# KiCad board CM4IOUSB3.kicad_pcb (continued)
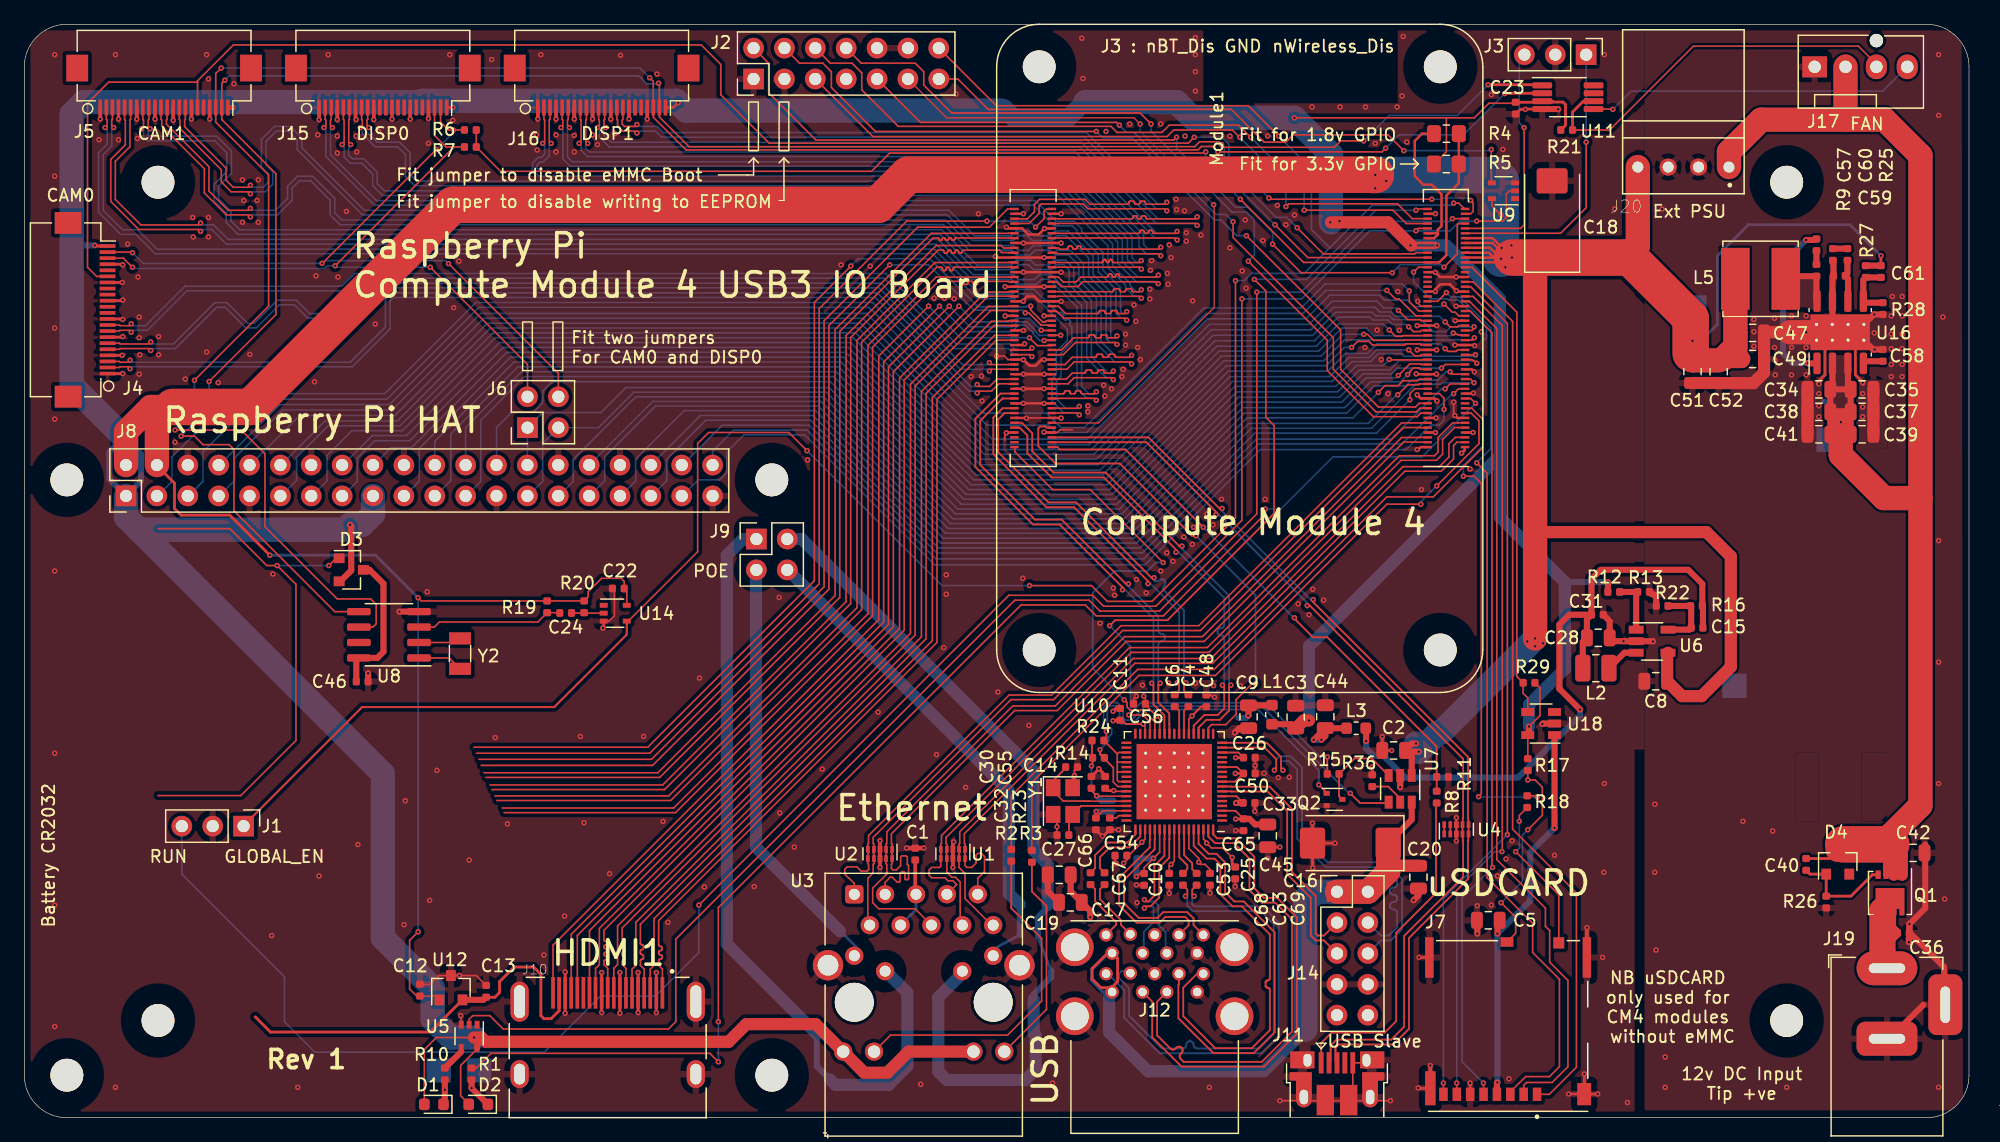
[diagram p0: board, top side]
## Routing (per net, layer and track width the routed paths; a pad name or vN(x,y) marks a point on that pad's centre or on a via; arc(x,y) is an arc through that point) (continued)
/CM4_HighSpeed/HDMI1_D2_N: length 67.5
  Top w0.127: J10.3 51.5,12.23 51.81,12.54 51.81,16.38 74.71,39.28 74.71,59.28 79.82,64.39 80.96,64.39 80.97,64.4 81.5,64.4
/CM4_HighSpeed/HDMI1_D2_P: length 67.5
  Top w0.127: 81.5,64 79.97,64 75.09,59.12 75.09,39.12 52.19,16.22 52.19,14.25 52.19,14.22 52.2,14.19 52.22,14.16 52.24,14.14 52.27,14.12 52.3,14.11 52.37,14.1 52.4,14.09 52.42,14.07 52.45,14.05 52.46,14.02 52.48,13.99 52.48,13.96 52.48,13.9 52.48,13.87 52.46,13.84 52.45,13.81 52.42,13.79 52.4,13.77 52.37,13.76 52.3,13.75 52.27,13.74 52.24,13.72 52.22,13.7 52.2,13.67 52.19,13.64 52.19,13.61 52.19,13.55 52.19,13.52 52.2,13.49 52.22,13.46 52.24,13.44 52.27,13.42 52.3,13.41 52.37,13.4 52.4,13.39 52.42,13.37 52.45,13.35 52.46,13.32 52.48,13.29 52.48,13.26 52.48,13.2 52.48,13.17 52.46,13.14 52.45,13.11 52.42,13.09 52.4,13.07 52.37,13.06 52.3,13.05 52.27,13.04 52.24,13.02 52.22,13 52.2,12.97 52.19,12.94 52.19,12.91 52.19,12.54 52.5,12.23 J10.1
/CM4_HighSpeed/HDMI1_HOTPLUG: length 80.8
  Top w0.13: v1(74.4,66.8) 70.3,62.7 70.3,41 43.5,14.2 J10.19 ; v1(82.7,64.2) 83.35,63.55 84.53,63.55
  Bottom w0.13: v1(74.4,66.8) 77,64.2 v1(82.7,64.2)
/CM4_HighSpeed/HDMI1_SCL: length 80.4
  Top w0.13: v1(76.1,66.8) 71.1,61.8 71.1,40.6 45.5,15 J10.15 ; v1(85.27,64.4) 85.27,64.4 84.58,64.4
  Bottom w0.13: v1(85.27,64.4) 83.87,64.4 83.85,64.39 83.5,64.39 83.23,64.66 83.23,64.75 82.48,65.5 81.67,65.5 81.27,65.1 77.8,65.1 v1(76.1,66.8)
/CM4_HighSpeed/HDMI1_SDA: length 80
  Top w0.13: J10.16 45,15.1 70.7,40.8 70.7,62.2 v1(75.3,66.8) ; v1(83.9,63.97) 83.93,64 84.58,64
  Bottom w0.13: v1(83.9,63.97) 83.55,63.97 82.97,64.55 82.97,64.64 82.37,65.24 81.78,65.24 81.24,64.7 77.4,64.7 v1(75.3,66.8)
/CM4_HighSpeed/HDMI_5v: length 33
  Top w0.23: 19,8.3 20.25,7.05 33.4,7.05 U12.2 ; C13.1 38.72,9.91 39.1,10.3 39.1,11.2 40.3,12.4 41.9,12.4 42.5,11.8 42.5,8.4 42.75,8.15 43.35,8.15 44,8.8 44,9.78
  Top w0.5: U12.2 37.78,9.7
/CM4_HighSpeed/PCIE_CLK_N: length 37.7
  Top w0.147: v1(99.28,35.6) 99.12,35.45 99.12,33.52 98.36,32.75 97.26,32.75 96.61,32.1 U10.21 ; 81.5,57.2 82.07,57.2 82.93,56.35 82.93,54.86 84.68,53.1 88.98,53.1 95.04,47.05 v1(95.25,47.05)
  Bottom w0.147: v1(95.25,47.05) 95.25,46.84 99.12,42.96 99.12,35.75 v1(99.28,35.6)
/CM4_HighSpeed/PCIE_CLK_nREQ: length 37.5
  Top w0.13: 81.5,55.2 81.5,54.8 84.6,51.7 87.7,51.7 v1(93.7,45.7) ; v1(90.5,34.4) 90.72,34.18 90.72,33.81 90.98,33.56 92.04,33.56 93.01,32.59 U10.30
  Bottom w0.147: v1(90.5,34.4) 87.9,37 87.9,43.2 89.7,45 92.4,45 93.1,45.7 v1(93.7,45.7)
/CM4_HighSpeed/PCIE_CLK_P: length 37.6
  Top w0.147: v1(94.75,46.55) 94.75,46.76 88.82,52.7 84.52,52.7 82.53,54.69 82.53,56.17 81.9,56.8 81.5,56.8 ; v1(98.57,35.6) 98.72,35.45 98.72,33.68 98.19,33.15 97.09,33.15 96.21,32.27 U10.22
  Bottom w0.147: v1(98.57,35.6) 98.72,35.75 98.72,39.42 98.72,39.49 98.7,39.54 98.67,39.6 98.62,39.64 98.57,39.67 98.51,39.69 98.39,39.71 98.33,39.73 98.28,39.76 98.23,39.8 98.2,39.86 98.18,39.91 98.18,39.97 98.18,40.03 98.18,40.09 98.2,40.14 98.23,40.2 98.28,40.24 98.33,40.27 98.39,40.29 98.51,40.31 98.57,40.33 98.62,40.36 98.67,40.4 98.7,40.46 98.72,40.51 98.72,40.58 98.72,42.79 94.96,46.55 v1(94.75,46.55)
/CM4_HighSpeed/PCIE_nRST: length 39.6
  Top w0.13: U10.19 97.41,32.09 97.68,32.35 98.85,32.35 99.7,33.2 99.7,34.42 100.98,35.7 v1(101.3,35.7)
  Top w0.147: v1(96.4,47.9) 96.08,47.9 90.13,53.85 84.85,53.85 83.43,55.28 83.43,56.75 83.57,56.9 84.03,56.9 84.12,56.8 84.58,56.8
  Bottom w0.147: v1(96.4,47.9) 101.3,43 v1(101.3,35.7)
/CM4_HighSpeed/PCIE_RX_N: length 33
  Top w0.147: 81.5,58.4 80.49,58.4 79.72,57.63 79.72,54.62 84.09,50.25 86.37,50.25 92.45,44.16 v1(92.45,43.95) ; C6.2 95.01,35.18 95.01,35.65 v1(94.86,35.8)
  Bottom w0.147: v1(94.86,35.8) 95.01,35.95 95.01,41.6 92.66,43.95 v1(92.45,43.95)
/CM4_HighSpeed/PCIE_RX_P: length 33
  Top w0.147: C4.2 95.41,35.18 95.41,35.65 v1(95.56,35.8) ; v1(92.95,44.45) 92.74,44.45 86.53,50.65 84.26,50.65 80.12,54.78 80.12,57.47 80.66,58 81.5,58
  Bottom w0.147: v1(92.95,44.45) 92.95,44.24 93,44.19 93.06,44.16 93.13,44.15 93.19,44.15 93.26,44.16 93.32,44.19 93.42,44.28 93.48,44.31 93.55,44.32 93.62,44.32 93.68,44.31 93.74,44.28 93.8,44.24 93.84,44.18 93.87,44.12 93.88,44.06 93.88,43.99 93.87,43.92 93.84,43.86 93.75,43.76 93.72,43.7 93.71,43.63 93.71,43.57 93.72,43.5 93.75,43.44 93.8,43.39 95.41,41.77 95.41,35.95 v1(95.56,35.8)
/CM4_HighSpeed/PCIE_TX_N: length 38
  Top w0.147: v1(92.75,35.76) 92.9,35.61 92.9,34.02 93.8,33.11 93.8,31.61 ; 81.5,59.6 80.32,59.6 78.25,57.53 78.25,53.57 82.99,48.83 85.19,48.83 90.35,43.66 v1(90.35,43.45)
  Bottom w0.147: v1(90.35,43.45) 90.56,43.45 92.9,41.12 92.9,35.91 v1(92.75,35.76)
/CM4_HighSpeed/PCIE_TX_P: length 38
  Top w0.147: 81.5,59.2 80.49,59.2 80.49,59.2 78.65,57.37 78.65,53.73 83.16,49.22 85.36,49.22 90.64,43.95 v1(90.85,43.95) ; U10.27 94.21,32.38 94.2,32.39 94.2,33.28 93.3,34.18 93.3,35.61 v1(93.45,35.76)
  Bottom w0.147: v1(90.85,43.95) 90.85,43.74 93.3,41.28 93.3,40.1 93.31,40.04 93.33,39.98 93.36,39.93 93.4,39.88 93.46,39.85 93.51,39.83 93.64,39.82 93.69,39.8 93.75,39.77 93.79,39.72 93.82,39.67 93.84,39.61 93.85,39.55 93.85,39.5 93.84,39.44 93.82,39.38 93.79,39.33 93.75,39.28 93.69,39.25 93.64,39.23 93.51,39.22 93.46,39.2 93.4,39.17 93.36,39.12 93.33,39.07 93.31,39.01 93.3,38.95 93.3,35.91 v1(93.45,35.76)
/CM4_HighSpeed/SCL0: length 201.4
  Top w0.13: v1(102.9,73.5) 105.6,70.8 115.42,70.8 ; v1(112,79.8) 111.7,79.5 v1(98.2,79.5) 97.76,79.94 96.84,79.94 96.56,79.66 54.44,79.66 51.75,82.35 J16.20 51.75,85.3 v1(51.45,85.6) ; v1(16.2,86.4) 15.75,85.95 J5.20 15.75,81.95 20.1,77.6 20.1,66.8 v1(14,60.7) ; 12.5,56.7 v1(12.4,56.6) 17.85,56.6 19.8,54.65 19.8,48.65 25.75,42.7 28.5,42.7 28.95,42.25 28.95,40.65 28.69,40.39 U8.6
  Top w0.23: v1(121.8,84.3) 121.82,84.33 U11.2
  Bottom w0.13: v1(112,79.8) 113.1,80.9 118.4,80.9 v1(121.8,84.3) ; v1(98.2,79.5) 98.2,78.2 v1(102.9,73.5) ; v1(16.2,86.4) 50.65,86.4 v1(51.45,85.6) ; v1(12.4,56.6) 14,58.2 v1(14,60.7)
/CM4_HighSpeed/SCL1: length 60
  Top w0.13: v1(8.9,70) 8.15,70.75 J4.20 ; J15.20 33.75,80.85 34.7,79.9 35.35,79.9 ; 35.35,79.9 R7.2 ; 35.35,79.9 v1(25.58,70.12) ; v1(33.4,70) 41.4,62 J6.2
  Bottom w0.13: v1(8.9,70) 9,69.9 24.7,69.9 24.92,70.12 v1(25.58,70.12) 25.7,70 v1(33.4,70)
/CM4_HighSpeed/SDA0: length 194.6
  Top w0.13: v1(104.72,73.26) 106.87,71.1 114.39,71.1 114.48,71.2 115.42,71.2 ; v1(110.2,80.4) 108.3,80.4 107.78,79.88 98.72,79.88 v1(98.5,80.1) 98.28,80.32 96.69,80.32 96.3,79.93 54.69,79.93 52.25,82.37 J16.21 52.25,85.09 v1(52.19,85.15) ; v1(12.9,56.1) 14,56.1 14.7,55.4 16.85,55.4 17.25,55 17.25,49.95 25.55,41.66 U8.5 ; v1(15.2,60.6) 20.7,66.1 20.7,77.7 16.25,82.15 J5.21 16.25,85.15 v1(16.5,85.4)
  Top w0.23: 124.84,85.03 v1(120.43,85.03)
  Bottom w0.13: v1(98.5,80.1) 98.72,79.88 98.72,78.38 103,74.1 103.88,74.1 v1(104.72,73.26) ; v1(15.2,60.6) 15.2,58.4 v1(12.9,56.1) ; v1(110.2,80.4) 112.3,82.5 117.9,82.5 v1(120.43,85.03) ; v1(52.19,85.15) 52.14,85.1 51.22,85.1 50.58,85.75 16.85,85.75 v1(16.5,85.4)
/CM4_HighSpeed/SDA1: length 62.2
  Top w0.13: J15.21 34.25,81.95 34.9,81.3 v1(35.3,81.3) R6.2 ; v1(33.9,79.7) 24.52,70.32 v1(24.5,70.32) ; v1(34.9,70.3) 43.94,61.26 J6.4 ; J4.21 8.85,71.25 v1(8.9,71.2)
  Bottom w0.13: v1(34.9,70.3) 34.65,70.55 24.72,70.55 v1(24.5,70.32) 9.78,70.32 v1(8.9,71.2) ; v1(35.3,81.3) 35.3,81.1 v1(33.9,79.7)
/CM4_HighSpeed/USBOTG_ID: length 45.5
  Top w0.147: R8.2 116.21,28.04 ; 84.58,55.2 85,55.2 85.2,55 90.6,55 v1(97,48.6) ; v1(104.5,41.15) 104.5,41.08 106.03,39.55 107.2,39.55 116.2,30.55 R11.1
  Bottom w0.147: v1(104.5,41.15) 104.45,41.15 v1(97,48.6)
/nEXTRST: length 84.8
  Top w0.13: 102.82,49.7 102.82,56.97 102.15,57.65 102.15,68.05 v1(101.2,69) ; U10.31 92.61,32.56 92.02,33.15 v1(90.87,33.15) ; 115.42,74.8 114.61,74.8 v1(114.5,74.69)
  Top w0.147: R15.1 v1(107.2,29.7) ; 102.82,49.7 102.8,49.7 94.05,40.95 89.75,40.95 v1(89.3,40.5)
  Bottom w0.13: v1(101.2,69) 105.5,69 111.19,74.69 v1(114.5,74.69)
  Bottom w0.147: v1(90.87,33.15) 91.87,34.15 102.15,34.15 106.6,29.7 v1(107.2,29.7) ; 91,33.28 91,38.8 v1(89.3,40.5)
/RTC , Wakeup, FAN/nRTC_INT: length 12
  Top w0.13: U8.3 33.73,40.39 34.15,40.8 42.25,40.8 R19.1 44.03,41.57
/USB2/USBD_N: length 76.9
  Top w0.147: v1(105.55,42.15) 105.76,42.15 118.38,29.54 118.38,24.68 118.35,24.66 118.35,24.14 ; 118.35,23.33 118.35,22.81 118.38,22.79 118.38,19.81 113.53,14.96 113.53,7.48 112.47,6.43 107.97,6.43 107.47,5.93 107.47,5.53 107.47,5.53 107.47,4.64 ; 84.58,55.6 92.32,55.6 98.05,49.86 v1(98.05,49.65) ; U4.4 U4.7
  Bottom w0.147: v1(98.05,49.65) 98.26,49.65 105.55,42.36 v1(105.55,42.15)
/USB2/USBD_P: length 77.5
  Top w0.147: 107.88,4.64 107.88,5.53 107.88,5.53 107.88,5.77 108.13,6.03 112.63,6.03 113.93,7.32 113.93,14.79 118.78,19.64 118.78,22.79 118.8,22.81 118.8,23.33 ; U4.5 U4.6 ; v1(106.05,42.65) 106.05,42.44 118.78,29.71 118.78,24.68 118.8,24.66 118.8,24.14 ; 84.58,56 85.32,56 92.48,56 98.34,50.15 v1(98.55,50.15)
  Bottom w0.147: v1(106.05,42.65) 105.84,42.65 98.55,49.94 v1(98.55,50.15)
/xHCI-USB3/C1_N: length 6
  Top w0.147: C67.2 88.5,20.53 88.5,21.44 89.31,22.25 90.92,22.25 91.81,23.14 U10.53
/xHCI-USB3/C1_P: length 6
  Top w0.147: C66.2 88.1,20.53 88.1,21.61 89.14,22.65 90.75,22.65 91.41,23.31 U10.52
/xHCI-USB3/C2_N: length 4
  Top w0.147: C69.2 96.09,20.47 96.09,20.95 95.42,21.61 95.42,22.93 95.41,22.94 U10.62
/xHCI-USB3/C2_P: length 4
  Top w0.147: U10.61 95.01,22.94 95.02,22.93 95.02,21.44 95.69,20.78 95.69,20.47 C68.2
/xHCI-USB3/nOCS1: length 38.2
  Top w0.13: 89.93,28.43 89.93,29.25 ; 89.93,28.43 89.96,28.46 U10.41 ; 89.93,28.43 89.93,27.78 90.04,27.66 U10.43 ; 89.93,29.25 89.94,29.26 U10.39 ; 89.93,29.25 89.93,29.95 90.04,30.06 U10.37
  Top w0.147: 112.18,25.9 109.9,25.9 v1(109.1,26.7) ; 89.03,31.03 v1(89.03,31.79) ; 89.03,31.03 89.03,30.85 89.93,29.95 ; 89.03,31.03 89.01,31.05 R24.2
  Bottom w0.147: v1(89.03,31.79) 88.8,32.02 88.8,33.8 89.19,34.18 89.91,34.18 90.4,33.69 90.4,32.9 90.58,32.72 91.07,32.72 92.23,33.88 101.82,33.88 109,26.7 v1(109.1,26.7)
/xHCI-USB3/nPWR: length 32.2
  Top w0.13: 89.6,28.81 89.6,27.62 89.96,27.26 U10.44
  Top w0.147: R14.2 88.5,29.99 ; v1(88.5,30.3) 88.5,29.91 89.6,28.81 ; 107.16,26.75 v1(106.5,27.4)
  Bottom w0.147: v1(106.5,27.4) 106.5,28.6 101.5,33.6 93,33.6 92.9,33.5 92.24,33.5 91.16,32.42 90.29,32.42 90.11,32.6 90.1,32.6 90.1,33.6 89.8,33.9 89.3,33.9 89.1,33.7 89.1,32.35 89.46,32 89.46,31.59 89.2,31.33 89.2,31 v1(88.5,30.3)
/xHCI-USB3/PD1_N: length 12.4
  Top w0.147: U10.59 94.21,22.94 94.2,22.93 94.2,21.39 93.38,20.57 93.38,18.12 92.66,17.4 92.3,17.4 v1(92.15,17.25)
  Bottom w0.147: 92.1,13.65 92.1,15.3 92.9,16.1 92.9,17.32 92.82,17.4 92.3,17.4 v1(92.15,17.25)
/xHCI-USB3/PD1_P: length 12.3
  Top w0.147: v1(92.15,17.95) 92.3,17.8 92.49,17.8 92.97,18.28 92.97,20.73 93.8,21.56 93.8,22.93 93.81,22.94 U10.58
  Bottom w0.147: v1(92.15,17.95) 92.3,17.8 92.98,17.8 93.3,17.48 93.3,15.9 93.9,15.3 93.9,13.65
/xHCI-USB3/PD2_N: length 39.3
  Top w0.147: U10.68 97.81,23.32 98.13,23 99.68,23 101.2,21.48 101.2,18.88 101.98,18.1 103.08,18.1 104.7,16.48 104.7,6.92 101.98,4.2 95.22,4.2 92.8,6.62 92.8,9.55 J12.A2
/xHCI-USB3/PD2_P: length 38.9
  Top w0.147: J12.A3 93.2,9.55 93.2,6.78 94.29,5.69 94.35,5.65 94.41,5.62 94.47,5.6 94.54,5.6 94.6,5.62 94.66,5.65 94.72,5.69 94.79,5.76 94.84,5.8 94.9,5.83 94.97,5.85 95.03,5.85 95.1,5.83 95.16,5.8 95.21,5.76 95.25,5.71 95.28,5.65 95.3,5.58 95.3,5.51 95.28,5.45 95.25,5.39 95.21,5.34 95.14,5.27 95.1,5.21 95.07,5.15 95.06,5.09 95.06,5.02 95.07,4.95 95.1,4.89 95.14,4.84 95.38,4.6 101.82,4.6 104.3,7.08 104.3,16.32 102.92,17.7 101.82,17.7 100.8,18.72 100.8,21.32 99.52,22.6 97.97,22.6 97.41,23.15 U10.67
/xHCI-USB3/PD3_N: length 19.8
  Top w0.147: J14.3 106.93,14.99 106.42,14.99 106.25,15.16 106.25,18.26 104.3,20.21 104.3,25.41 102.46,27.25 99.35,27.25 99.33,27.26 U10.8
/xHCI-USB3/PD3_P: length 19.8
  Top w0.147: J14.5 106.93,14.59 106.25,14.59 105.85,14.99 105.85,18.09 103.9,20.04 103.9,25.24 102.3,26.85 99.35,26.85 99.33,26.86 U10.7
/xHCI-USB3/PD4_N: length 32.6
  Top w0.147: v1(103.55,28.6) 103.4,28.75 103.4,29.68 102.22,30.86 U10.17
  Bottom w0.147: v1(103.55,28.6) 103.4,28.75 103.4,29.32 103.43,29.35 104.04,29.35 104.72,28.67 104.72,22.97 107.07,20.62 111.82,20.62 112.95,19.49 112.95,19.25 112.94,19.18 112.92,19.12 112.88,19.06 112.84,19.02 112.78,18.98 112.72,18.96 112.58,18.94 112.52,18.92 112.46,18.88 112.42,18.84 112.38,18.78 112.36,18.72 112.35,18.65 112.36,18.58 112.38,18.52 112.42,18.46 112.46,18.42 112.52,18.38 112.58,18.36 112.72,18.34 112.78,18.32 112.84,18.28 112.88,18.24 112.92,18.18 112.94,18.12 112.95,18.05 112.94,17.98 112.92,17.92 112.88,17.86 112.84,17.82 112.78,17.78 112.72,17.76 112.58,17.74 112.52,17.72 112.46,17.68 112.42,17.64 112.38,17.58 112.36,17.52 112.35,17.45 112.36,17.38 112.38,17.32 112.42,17.26 112.46,17.22 112.52,17.18 112.58,17.16 112.72,17.14 112.78,17.12 112.84,17.08 112.88,17.04 112.92,16.98 112.94,16.92 112.95,16.85 112.95,15.68 112.26,14.99 111.61,14.99 J14.4
/xHCI-USB3/PD4_P: length 32.5
  Top w0.147: U10.16 102.05,30.46 103,29.52 103,28.75 v1(102.85,28.6)
  Bottom w0.147: J14.6 111.61,14.59 112.42,14.59 113.35,15.52 113.35,19.66 111.98,21.03 107.23,21.03 105.12,23.13 105.12,28.83 104.21,29.75 103.27,29.75 103,29.48 103,28.75 v1(102.85,28.6)
/xHCI-USB3/PEXTX_N: length 2.4
  Top w0.147: C6.1 95.01,33.48 U10.25
/xHCI-USB3/PEXTX_P: length 2.4
  Top w0.147: C4.1 95.41,33.48 U10.24
/xHCI-USB3/PWR: length 7.4
  Top w0.147: R15.2 108.17,26.47 108.44,26.2 ; 112.25,28.18 110.85,29.57 109.45,29.57 108.18,28.3
/xHCI-USB3/SSRX1_N: length 15.4
  Top w0.147: U10.56 93.01,22.94 93,22.93 93,22.09 90.47,19.57 90.47,17.66 91.68,16.45 93.24,16.45 93.72,16.93 95.68,16.93 96.2,16.41 96.2,15.85 J12.B5
/xHCI-USB3/SSRX1_P: length 15.4
  Top w0.147: U10.55 92.61,22.94 92.6,22.93 92.6,22.26 90.07,19.73 90.07,17.49 91.52,16.05 93.41,16.05 93.88,16.53 95.52,16.53 95.8,16.24 95.8,15.85 J12.B6
/xHCI-USB3/SSRX2_N: length 33.6
  Top w0.147: U10.65 96.61,22.55 97.43,21.72 98.08,21.72 98.8,21.01 98.8,18.56 99.56,17.8 100.33,17.8 102.88,15.26 102.88,7.04 101.16,5.32 97.82,5.32 94.95,8.19 94.95,10.93 95,10.97 J12.A6
/xHCI-USB3/SSRX2_P: length 33.6
  Top w0.147: U10.64 96.21,22.38 97.27,21.32 97.92,21.32 98.4,20.84 98.4,18.39 99.39,17.4 100.17,17.4 102.47,15.09 102.47,11.47 102.47,11.44 102.46,11.4 102.44,11.37 102.41,11.34 102.38,11.32 102.34,11.3 102.26,11.3 102.22,11.28 102.19,11.26 102.16,11.23 102.14,11.2 102.13,11.16 102.12,11.12 102.12,10.88 102.13,10.84 102.14,10.8 102.16,10.77 102.19,10.74 102.22,10.72 102.26,10.7 102.34,10.7 102.38,10.68 102.41,10.66 102.44,10.63 102.46,10.6 102.47,10.56 102.47,10.53 102.47,7.21 100.99,5.72 97.98,5.72 95.35,8.36 95.35,10.71 96.49,11.85 J12.A5
/xHCI-USB3/SSTX1_N: length 5.3
  Top w0.147: J12.B8 90.22,15.88 90.22,16.26 88.5,17.98 88.5,18.81 C67.1
/xHCI-USB3/SSTX1_P: length 5.4
  Top w0.147: C66.1 88.1,18.81 88.1,17.82 89.82,16.09 89.82,15.88 J12.B9
/xHCI-USB3/SSTX2_N: length 37.6
  Top w0.147: v1(96.24,18.23) 96.09,18.38 96.09,18.78 C69.1
  Bottom w0.147: 89.14,11.85 90.5,10.49 90.5,8.22 93.42,5.3 101.78,5.3 103.2,6.72 103.2,16.08 101.88,17.4 96.28,17.4 96.09,17.6 96.09,18.08 v1(96.24,18.23)
/xHCI-USB3/SSTX2_P: length 37.6
  Top w0.147: C68.1 95.69,18.78 95.69,18.38 v1(95.54,18.23)
  Bottom w0.147: 90.82,12.07 90.28,12.07 90.07,11.88 90.07,11.48 90.9,10.66 90.9,8.38 93.58,5.7 95.3,5.7 95.37,5.71 95.43,5.73 95.49,5.77 95.53,5.81 95.57,5.87 95.59,5.93 95.61,6.07 95.63,6.13 95.67,6.19 95.71,6.23 95.77,6.27 95.83,6.29 95.9,6.3 95.97,6.29 96.03,6.27 96.09,6.23 96.13,6.19 96.17,6.13 96.19,6.07 96.21,5.93 96.23,5.87 96.27,5.81 96.31,5.77 96.37,5.73 96.43,5.71 96.5,5.7 101.62,5.7 102.8,6.88 102.8,15.92 101.72,17 96.12,17 95.69,17.43 95.69,18.08 v1(95.54,18.23)
Net-(BT1-Pad1): length 44.4
  Top w0.13: 11,48.48 16.92,48.48 19.95,45.45 v1(20.8,45.45) 22.35,43.9 22.35,31.05 17.81,26.51 11,26.51 ; 25.65,46.05 v1(25.05,45.45)
  Bottom w0.13: v1(20.8,45.45) v1(25.05,45.45)
Net-(C1-Pad1): length 5.8
  Top w0.3: 73.3,21.22 73.3,18.46
  Bottom w0.23: U3.4 73.37,17.12 U3.5
Net-(C14-Pad1): length 8.7
  Top w0.13: 87.15,26.06 85.48,26.06 84.65,26.89 ; 90.66,26.05 87.61,26.05
  Top w0.147: 85.68,28.78 84.65,27.75 Y1.1 84.65,26.89 ; 87.61,26.05 87.6,26.06 87.15,26.06
Net-(C15-Pad1): length 54.7
  Top w0.5: C31.1 127.1,41.4 126.3,40.6 126.3,35.3 v1(128,33.6) ; C31.1 128.56,41.02 C28.1 128.22,39.16 128.22,37 ; C31.1 128.94,44.34 129.7,45.1 136.9,45.1 138.06,43.94 R16.1 138.11,42.08 C15.1 ; v1(110.4,31) 110.4,32.03
  Bottom w0.5: v1(110.4,31) 110.4,30.4 111,29.8 111.8,29.8 113.6,28 122.9,28 128,33.1 v1(128,33.6)
Net-(C15-Pad2): length 5.6
  Top w0.5: U6.5 136.99,40.17 C15.2 137.14,42.08 R16.2 R22.1
Net-(C24-Pad1): length 2.6
  Top w0.13: C24.1 46.04,41.54 ; U14.2 46.1,41.53
Net-(C27-Pad1): length 6.5
  Top w0.147: 85.95,23.28 85.95,24.26 86.25,24.56 Y1.3 86.95,25.66 U10.48
Net-(C36-Pad1): length 12.3
  Top w1: 153.45,12.3 153.45,14.75 153.9,15.2 153.5,15.6 Q1.5 152.8,17.34 152.8,17.1
  Top w2: 152.8,17.1 152.8,13.2 153.25,12.75 J19.1
Net-(C40-Pad2): length 8.6
  Top w0.23: Q1.4 152.05,20 150.28,18.24 R26.1 D4.2 146.91,20.05 C40.2
Net-(C46-Pad1): length 11.7
  Top w0.5: C46.1 27.31,37.64 ; U8.8 29.05,37.84 29.55,38.35 29.55,43.95 28.4,45.1 D3.3
Net-(C57-Pad1): length 1.1
  Top w0.5: C57.1 R9.2
Net-(C57-Pad2): length 14
  Top w0.5: v1(146.6,72.25) 147.37,72.25 ; U16.1 146.76,62.09 v1(146.75,62.1)
  Bottom w0.5: v1(146.6,72.25) 144.7,70.35 144.7,62.9 145.5,62.1 v1(146.75,62.1)
Net-(C58-Pad1): length 1.4
  Top w0.5: C58.1 151.48,62.27
Net-(C59-Pad1): length 2.9
  Top w0.5: 150.05,69.07 150.05,67.23 ; 150,70.52 150,69.48
Net-(C60-Pad1): length 1.1
  Top w0.5: C60.1 149.95,71.53
Net-(C61-Pad2): length 4.5
  Top w0.5: R28.1 151.43,67.08 ; U16.5 151.31,68.97 ; R27.2 C61.2
Net-(D1-Pad1): length 3
  Top w0.5: 34.6,1.21 v1(34.6,2.3) 34.6,3.12
  Bottom w0.23: v1(34.6,2.3) 34.6,3.4
Net-(D2-Pad1): length 3.4
  Top w0.5: D2.1 v1(36.8,2.44) 36.8,3.12
  Bottom w0.23: v1(36.8,2.44) 36.8,3.29
Net-(J2-Pad13): length 51.1
  Top w0.13: v1(120.7,79.7) 120.7,77 ; v1(113.5,79.6) 112.2,80.9 104.4,80.9 103.8,80.3 102,80.3 99.3,83 79.3,83 76.8,85.5 J2.13
  Bottom w0.13: v1(113.5,79.6) 120.6,79.6 v1(120.7,79.7)
Net-(J7-Pad9): length 13
  Top w0.13: v1(122.7,21.9) 126.25,18.35 J7.9 ; R18.2 123,24.88 v1(123,24.4)
  Bottom w0.13: v1(122.7,21.9) 123,22.2 v1(123,24.4)
Net-(J7-Pad10): length 17.2
  Top w0.13: v1(123.7,23.7) 124.9,24.9 124.9,27.2 124.3,27.8 v1(123.7,27.8) R17.2 ; J7.10 122.7,15.18 122.7,16.5 v1(121.5,17.7)
  Bottom w0.13: v1(121.5,17.7) 123.26,19.46 123.26,23.26 v1(123.7,23.7)
Net-(J11-Pad1): length 27.8
  Top w0.147: J11.1 106.7,6.15 107.55,7 111.93,7 112.88,7.95 112.88,15.23 116.15,18.5 116.15,25.85
Net-(J17-Pad3): length 31.2
  Top w0.13: 152.38,86.72 150.9,88.2 137.32,88.2 130.43,81.3 127.38,81.3
  Top w0.23: 128.3,83.67 128.22,83.6 128.2,83.6 127.38,82.78 127.38,81.3
Net-(J17-Pad4): length 27.2
  Top w0.13: v1(130.7,83) 130.68,83.03 U11.5
  Bottom w0.13: v1(130.7,83) 132.2,84.5 152.9,84.5 154.9,86.5
Net-(L2-Pad1): length 2.8
  Top w0.5: L2.1 131.65,38.28 132.62,38.28
Net-(L5-Pad1): length 4.3
  Top w0.5: 145.14,69.27 R9.1 147.45,67.26
Net-(Module1-Pad21): length 115.3
  Top w0.13: v1(119.4,58.8) 119,59.2 118.5,59.2 ; v1(57.1,7.9) 57.1,17.3 82,42.2 87.3,42.2 88.2,41.3 93.7,41.3 102.1,49.7 v1(102.1,50.1) ; R1.2 37.19,4.09 38.4,5.3 56.4,5.3 v1(57.1,4.6)
  Bottom w0.13: v1(57.1,4.6) v1(57.1,7.9) ; v1(102.1,50.1) 103.38,50.1 107.68,54.4 115,54.4 v1(119.4,58.8)
Net-(R2-Pad1): length 28.1
  Top w0.13: 83.7,14.75 83.7,9.6 80.9,6.8 71.27,6.8 U3.16
  Top w0.147: 81.2,21.12 81.2,17.25 83.7,14.75
Net-(R3-Pad1): length 17.5
  Top w0.13: 84.1,15.94 84.1,8.91 U3.18
  Top w0.147: 84.1,15.94 84.1,17.42 82.9,18.62 R3.1
Net-(R10-Pad2): length 1.9
  Top w0.5: 35.95,5.44 R10.2
Net-(R12-Pad2): length 4.6
  Top w0.5: U6.1 132.62,43.15 R13.1 R12.2
Net-(R23-Pad1): length 1.4
  Top w0.13: U10.50 90.04,24.86 89.85,24.67 R23.1
Net-(R36-Pad1): length 2.7
  Top w0.147: R36.1 112.22,27.25 113.2,26.28
Net-(U4-Pad1): length 0.8
  Top w0.147: U4.1 U4.10
Net-(U4-Pad2): length 0.8
  Top w0.147: U4.2 U4.9
Net-(U8-Pad1): length 3.7
  Top w0.13: U8.1 34.95,37.84 Y2.2
Net-(U8-Pad2): length 3
  Top w0.13: U8.2 35.52,39.11

## Copper pours and planes (outline as drawn; the poured copper is in the pictures)
/+12v on Top: 150.3,55.05 148.5,55.05 148.5,62.85 150.3,62.85
/xHCI-USB3/A1.05v on In2.Cu: 100.13,34.7 100.12,20.73 89.48,20.73 89.45,34.75 ; 1 cut-out
/xHCI-USB3/A3.3v on Bottom: 100.22,20.7 89.22,20.67 89.19,20.74 89.23,34.27 100.22,34.3
GND on Top: 153.25,24.39 151.15,24.39 151.15,30.09 153.25,30.09
GND on Top: 153.3,55.05 151.2,55.05 151.2,60.75 153.3,60.75
GND on Top: 159.5,0.6 133.3,0.6 133.3,89.5 159.4,89.5 ; 1 cut-out
GND on Top: 153.9,63.2 142,63.2 142,66.2 153.9,66.2
GND on Top: 147.6,24.39 145.75,24.39 145.75,30.04 147.6,30.04
GND on Top: 147.65,55.05 145.8,55.05 145.8,60.7 147.65,60.7
GND on Top: 113,83.5 113,89.5 132.5,89.5 132.5,0.5 0.5,0.5 0.5,89.5 97,89.5 97,83.5
GND on Top: 133.6,30.3 131.6,30.3 131.5,89.5 133.6,89.5
GND on Bottom: 159.5,0.5 133.25,0.5 133.25,89.5 159.5,89.5
GND on Bottom: 134.05,30.3 131.05,30.3 131.1,89.5 134.1,89.5
GND on Bottom: 132.5,0.5 0.5,0.5 0.5,89.5 97,89.5 97,83.5 113,83.5 113,89.5 132.5,89.5
GND on Bottom: 152.5,32.3 146.4,32.3 146.4,35.7 152.5,35.7
GND on Bottom: 152.45,63.05 146.35,63.05 146.35,66.45 152.45,66.45
GND on In1.Cu: 159.5,89.5 133.25,89.55 133.25,0.55 159.5,0.5
GND on In1.Cu: 152.44,32.4 146.24,32.4 146.24,35.8 152.44,35.8
GND on In1.Cu: 146.6,66.4 146.6,66.3 152.3,66.3 152.3,63.1 146.6,63.1 146.6,66.3 146.5,66.3 146.5,66.5
GND on In1.Cu: 97,89.48 97,83.52 113,83.5 113,89.46 136.45,89.45 136,30.3 132.5,30.3 132.5,0.4 0.5,0.5 0.5,89.5
GND on In2.Cu: 159.5,89.5 139.5,89.5 139.45,55.5 139.45,30.3 133.25,30.35 133.25,0.4 159.5,0.4
GND on In2.Cu: 113,83.5 113,89.5 140,89.5 140,30.3 132.5,30.3 132.5,0.4 0.5,0.5 0.5,89.5 97,89.5 97,83.5 ; 1 cut-out
GND on In2.Cu: 152.4,63.2 146.6,63.2 146.6,66.4 152.4,66.4
GND on In2.Cu: 152.56,32.35 146.26,32.35 146.26,35.55 152.56,35.55
Net-(L5-Pad1) on Top: 147.8,66.5 145.4,66.5 145.4,69.55 147.8,69.55

## Text on the board
Top: Board thickness  : 1.56mm / Finished copper weight inners : 1oz / Finished copper weight outers : 1oz / Board finish : OSP / Material type : FR4 / Colour of solder resists : Green / Colour of silk screens : White Only on the top side / Board to : UL94-V0 / TG >=130 / 50R trace width 0.13mm@ 3GHz / 90R diff pair width 0.147 spacing 0.253mm @ 2.5GHz / 100R diff pair width 0.127 spacing 0.253mm @ 2GHz
F.Silkscreen: Fit jumper to disable eMMC Boot | Fit jumper to disable writing to EEPROM | Fit two jumpers / For CAM0 and DISP0 | CAM0 | CAM1 | RUN    GLOBAL_EN | DISP0 | DISP1 | POE | J3 : nBT_Dis GND | Fit for 1.8v GPIO | Fit for 3.3v GPIO | nWireless_Dis | USB Slave | NB uSDCARD / only used for / CM4 modules / without eMMC | Ext PSU | 12v DC Input / Tip +ve | FAN | Battery CR2032 | Rev 1 | Raspberry Pi / Compute Module 4 USB3 IO Board | Raspberry Pi HAT | HDMI1 | Ethernet | Compute Module 4 | uSDCARD | USB
